# KiCad board px16_regfile.kicad_pcb (continued)
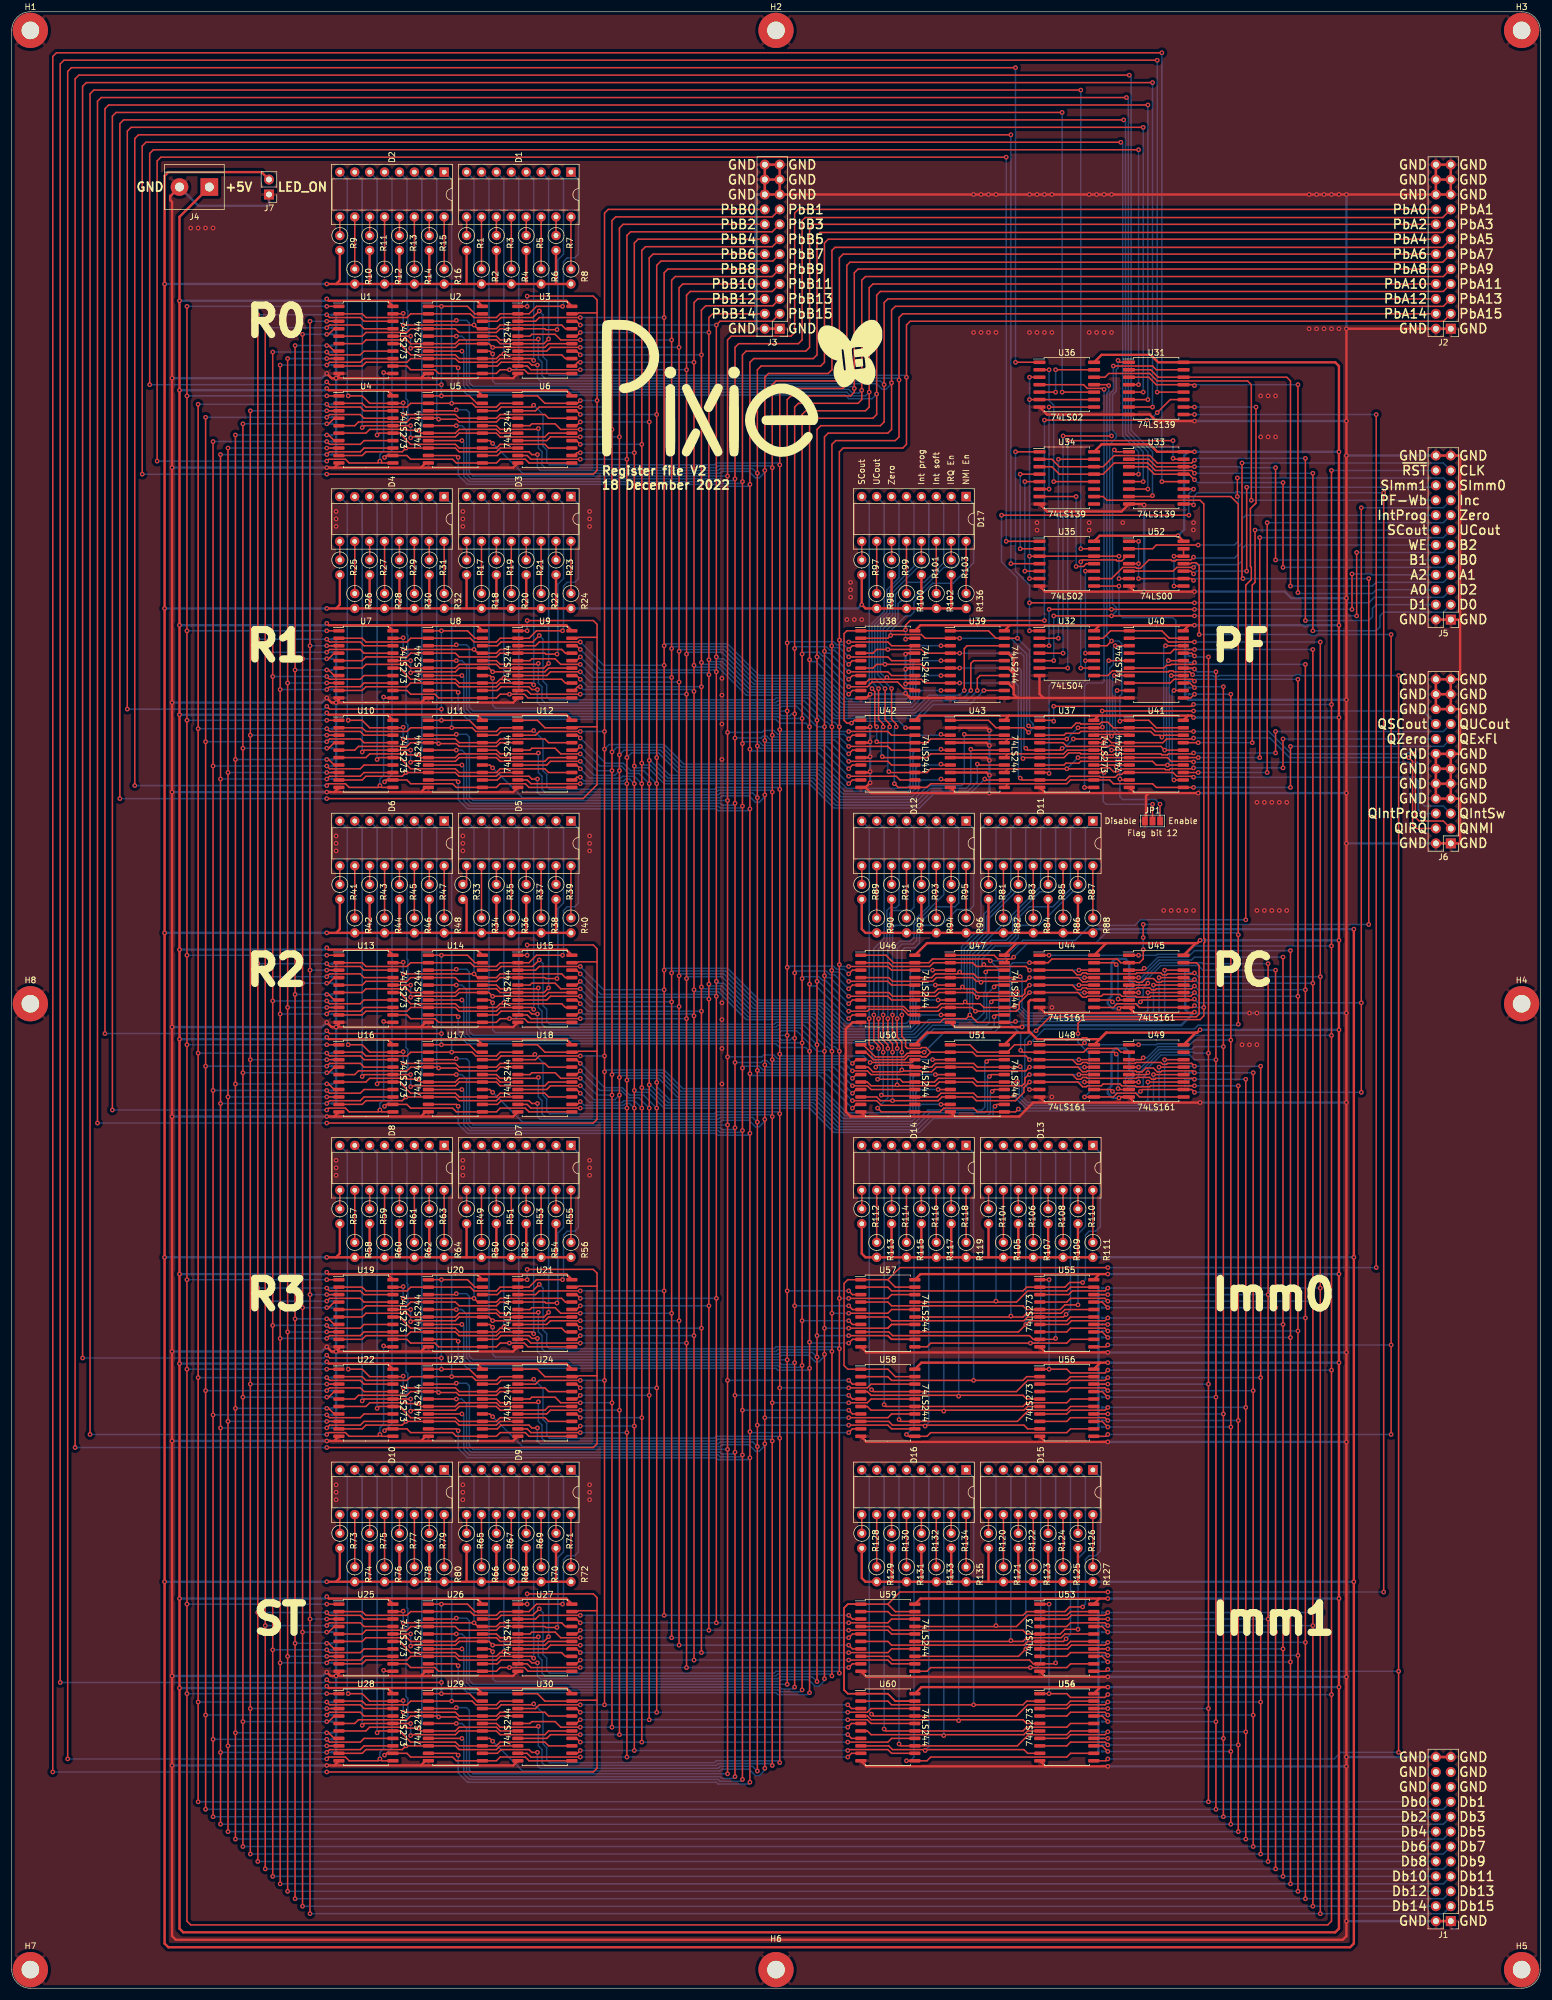
[diagram p0: board, top side]
## Routing (per net, layer and track width the routed paths; a pad name or vN(x,y) marks a point on that pad's centre or on a via; arc(x,y) is an arc through that point) (continued)
  Bottom w0.25: v1(158.27,150.5) 154.94,150.5 154.46,150.02 154.46,148.75 153.35,147.64 141.29,147.64 137.16,151.77 113.35,151.77 110.17,154.94 105.09,154.94 v1(104.77,154.62) ; v1(96.84,149.86) v1(104.77,149.86) ; v1(96.84,94.62) v1(104.77,94.62) ; v1(96.84,260.35) v1(104.77,260.35) ; v1(142.4,39.37) v1(104.77,39.37) v1(96.84,39.37) ; v1(104.77,209.55) 105.57,210.34 110.17,210.34 113.51,207.01 137.16,207.01 141.29,202.88 153.35,202.88 154.46,203.99 154.46,205.26 154.94,205.74 158.11,205.74 v1(158.27,205.9) ; v1(96.84,205.11) v1(104.77,205.11)
/PbB13: length 541
  Top w0.25: U18.7 91.12,153.04 91.76,153.67 v1(96.84,153.67) ; v1(158.27,208.44) 158.43,208.28 U43.7 ; v1(96.84,98.43) 91.76,98.43 91.12,97.79 U24.7 ; v1(96.84,208.92) 91.76,208.92 91.12,208.28 U12.7 ; U6.7 91.12,263.53 91.76,264.16 v1(96.84,264.16) ; 86.2,42.55 91.12,42.55 91.76,43.18 v1(96.84,43.18) ; 128.27,300.36 104.14,300.36 103.51,299.72 v1(103.51,264.16) v1(103.51,210.03) v1(103.51,207.33) v1(103.51,98.43) v1(103.51,43.18) ; U51.7 v1(157.8,153.04) ; 144.62,42.55 143.03,42.55 v1(142.4,43.18)
  Bottom w0.25: v1(96.84,208.92) 99.22,206.53 102.71,206.53 v1(103.51,207.33) ; v1(103.51,155.1) 103.82,155.42 110.49,155.42 113.67,152.24 137.48,152.24 141.6,148.11 153.03,148.11 153.99,149.07 153.99,152.56 154.46,153.04 v1(157.8,153.04) ; v1(158.27,208.44) 158.11,208.28 154.46,208.28 153.99,207.8 153.99,204.31 153.03,203.36 141.6,203.36 137.48,207.49 113.82,207.49 110.49,210.82 104.3,210.82 v1(103.51,210.03) ; v1(142.4,43.18) v1(103.51,43.18) v1(96.84,43.18) ; v1(103.51,152.08) 102.71,151.29 99.22,151.29 v1(96.84,153.67) ; v1(96.84,98.43) v1(103.51,98.43) ; v1(96.84,264.16) v1(103.51,264.16)
/PbB14: length 548.2
  Top w0.25: J3.17 129.54,301.62 102.87,301.62 102.23,300.99 v1(102.23,265.43) v1(102.23,210.5) v1(102.23,207.33) v1(102.23,99.7) v1(102.23,44.45) ; U24.5 88.27,100.33 88.58,100.65 92.55,100.65 93.5,99.7 v1(96.84,99.7) ; v1(96.84,265.43) 93.5,265.43 92.55,266.38 88.58,266.38 88.27,266.07 U6.5 ; U51.5 v1(157.32,155.58) ; U43.5 158.43,210.82 v1(158.27,210.98) ; v1(96.84,210.19) 93.5,210.19 92.55,211.14 88.58,211.14 88.27,210.82 U12.5 ; v1(142.4,44.45) 143.03,45.09 U60.5 ; v1(96.84,44.45) 93.5,44.45 92.55,45.4 88.58,45.4 88.27,45.09 U30.5 ; v1(96.84,154.94) 93.5,154.94 92.55,155.89 88.58,155.89 88.27,155.58 U18.5
  Bottom w0.25: v1(96.84,44.45) v1(102.23,44.45) v1(142.4,44.45) ; v1(158.27,210.98) 158.11,210.82 153.99,210.82 153.51,210.34 153.51,204.63 152.72,203.84 141.92,203.84 137.79,207.96 114.14,207.96 110.81,211.3 103.03,211.3 v1(102.23,210.5) ; v1(157.32,155.58) 153.99,155.58 153.51,155.1 153.51,149.38 152.72,148.59 141.92,148.59 137.79,152.72 113.98,152.72 110.81,155.89 102.55,155.89 v1(102.23,155.58) ; v1(102.23,207.33) 99.7,207.33 v1(96.84,210.19) ; v1(96.84,154.94) 99.7,152.08 v1(102.23,152.08) ; v1(96.84,99.7) v1(102.23,99.7) ; v1(96.84,265.43) v1(102.23,265.43)
/PbB15: length 541.9
  Top w0.25: v1(96.84,48.26) 89.85,48.26 89.22,47.62 86.2,47.62 ; v1(96.84,103.51) 89.85,103.51 89.22,102.87 U24.3 ; U51.3 v1(156.84,158.12) ; v1(96.84,269.24) 89.85,269.24 89.22,268.61 U6.3 ; v1(142.4,48.26) 143.03,47.62 144.62,47.62 ; U18.3 89.22,158.12 89.85,158.75 v1(96.84,158.75) ; v1(96.84,214) 89.85,214 89.22,213.36 U12.3 ; v1(100.97,48.26) v1(100.97,103.51) v1(100.97,158.75) v1(100.97,210.98) v1(100.97,214) v1(100.97,269.24) 100.97,302.26 101.6,302.9 128.27,302.9 ; U43.3 158.43,213.36 v1(158.27,213.52)
  Bottom w0.25: v1(96.84,103.51) v1(100.97,103.51) ; v1(96.84,269.24) v1(100.97,269.24) ; v1(96.84,214) v1(100.97,214) ; v1(100.97,210.98) 101.76,211.77 111.13,211.77 114.46,208.44 138.11,208.44 142.24,204.31 152.4,204.31 153.03,204.95 153.03,212.88 153.51,213.36 158.11,213.36 v1(158.27,213.52) ; v1(96.84,48.26) v1(100.97,48.26) v1(142.4,48.26) ; v1(156.84,158.12) 153.51,158.12 153.03,157.64 153.03,149.7 152.4,149.07 142.24,149.07 138.11,153.19 114.3,153.19 111.13,156.37 101.28,156.37 v1(100.97,156.05) ; v1(96.84,158.75) v1(100.97,158.75)
/PCQ0: length 77.5
  Top w0.25: U46.2 149.38,174.63 150.02,173.99 156.37,173.99 157,174.63 U47.2 163.67,174.63 164.31,173.99 165.26,173.99 v1(165.58,174.31) 165.89,173.99 172.72,173.99 v1(173.35,173.36) ; v1(181.77,173.36) U44.14
  Bottom w0.25: v1(165.58,174.31) 165.26,174.63 165.26,175.26 167.48,177.48 170.02,177.48 171.45,178.91 171.45,180.5 171.93,180.98 174.94,180.98 180.66,186.69 182.09,186.69 182.88,187.48 182.88,197.49 D11.1 ; v1(173.35,173.36) v1(181.77,173.36)
/PCQ1: length 79.4
  Top w0.25: v1(173.35,172.09) 172.72,171.45 165.26,171.45 v1(165.1,171.29) 164.94,171.45 164.31,171.45 163.67,172.09 U47.4 157.48,172.09 156.84,171.45 150.02,171.45 149.38,172.09 U46.4 ; v1(182.72,172.09) U44.13
  Bottom w0.25: v1(173.35,172.09) v1(182.72,172.09) ; v1(165.1,171.29) 164.62,171.77 164.62,175.42 167.16,177.96 169.7,177.96 170.97,179.23 170.97,181.77 173.35,184.15 177.32,184.15 180.34,187.17 180.34,197.49 D11.2
/PCQ2: length 80.7
  Top w0.25: 144.62,169.55 149.38,169.55 150.02,168.91 157.32,168.91 157.96,169.55 163.67,169.55 v1(164.47,168.75) 164.62,168.91 172.08,168.91 172.56,169.39 172.56,170.02 v1(173.35,170.82) ; v1(181.77,170.82) U44.12
  Bottom w0.25: D11.3 177.8,197.49 177.8,187.48 177.01,186.69 175.1,186.69 170.5,182.09 170.5,179.55 169.39,178.44 166.85,178.44 164.65,176.24 164.65,176.24 164.15,175.74 164.15,169.07 v1(164.47,168.75) ; v1(173.35,170.82) v1(181.77,170.82)
/PCQ3: length 80.9
  Top w0.25: v1(182.72,169.55) U44.11 ; U46.8 144.78,167.16 151.92,167.16 152.72,166.37 157.8,166.37 158.43,167.01 U47.8 163.51,167.01 v1(164.15,166.37) 171.13,166.37 171.61,166.85 171.61,167.8 v1(173.35,169.54)
  Bottom w0.25: v1(173.35,169.55) v1(182.72,169.55) ; v1(164.15,166.37) 163.67,166.85 163.67,176.06 168.59,180.98 169.39,180.98 170.03,181.62 170.03,182.4 175.26,187.63 175.26,197.49 D11.4
/PCQ4: length 93.5
  Top w0.25: v1(170.97,164.62) 170.81,164.47 U47.11 164.47,164.47 v1(163.19,165.74) 162.56,165.1 158.75,165.1 158.11,164.47 U46.11 ; v1(196.37,173.36) U45.14
  Bottom w0.25: v1(196.37,173.36) 196.37,165.1 195.9,164.62 v1(170.97,164.62) ; v1(163.19,165.74) 163.19,176.37 164.01,177.19 164.02,177.19 166.53,179.7 166.53,182.25 170.97,186.69 172.08,186.69 172.72,187.33 172.72,197.49 D11.5
/PCQ5: length 88.8
  Top w0.25: v1(195.42,172.09) U45.13 ; U46.13 157.64,167.01 158.27,167.64 162.08,167.64 v1(162.4,167.96) 162.72,167.64 164.94,167.64 165.58,167.01 U47.13 170.66,167.01 v1(170.81,167.16)
  Bottom w0.25: D11.6 170.18,197.49 170.18,186.69 166.05,182.56 166.05,180.02 163.71,177.68 163.71,177.68 162.72,176.69 162.72,168.28 v1(162.4,167.96) ; v1(195.42,172.09) 195.42,165.58 194.94,165.1 172.72,165.1 170.81,167 v1(170.81,167.16)
/PCQ6: length 85.9
  Top w0.25: 153.82,169.55 157.16,169.55 157.8,170.18 161.61,170.18 v1(161.92,170.5) 162.24,170.18 163.83,170.18 164.47,169.55 171.13,169.55 v1(171.29,169.7) ; v1(194.47,170.82) U45.12
  Bottom w0.25: v1(161.92,170.5) 162.24,170.82 162.24,177.01 163.37,178.13 163.37,178.13 165.58,180.34 165.58,182.88 167.64,184.94 167.64,197.49 D11.7 ; v1(194.47,170.82) 194.47,166.05 193.99,165.58 172.88,165.58 171.61,166.84 171.61,169.39 v1(171.29,169.7)
/PCQ7: length 83
  Top w0.25: U46.17 156.69,172.09 157.32,172.72 161.13,172.72 v1(161.45,173.04) 161.77,172.72 163.83,172.72 164.47,172.09 U47.17 171.61,172.09 v1(171.77,172.24) ; v1(193.52,169.55) U45.11
  Bottom w0.25: v1(171.77,172.24) 172.08,171.93 172.08,167.01 173.04,166.05 193.04,166.05 193.52,166.53 v1(193.52,169.55) ; D11.8 165.1,197.49 165.1,180.65 163.03,178.58 163.02,178.58 161.77,177.32 161.77,173.36 v1(161.45,173.04)
/PCQ8: length 94.7
  Top w0.25: U50.2 145.49,159.39 146.76,158.12 152.08,158.12 152.72,158.75 154.81,158.75 154.97,158.59 155.73,158.59 156.53,159.39 ; 156.53,159.39 155.73,160.18 154.97,160.18 154.81,160.02 152.56,160.02 152.24,160.34 152.24,161.45 151.61,162.08 v1(151.61,165.74) ; 156.53,159.39 U51.2 ; v1(181.77,158.12) U48.14 ; 159.86,159.39 163.67,159.39 164.3,158.75 172.72,158.75 v1(173.35,158.12)
  Bottom w0.25: v1(173.35,158.12) v1(181.77,158.12) ; v1(151.61,165.74) 151.61,176.69 152.08,177.17 153.83,177.17 154.62,177.96 154.62,180.5 155.1,180.98 158.27,180.98 160.97,183.67 163.19,183.67 163.83,184.31 163.83,197.49 D12.1
/PCQ9: length 91.7
  Top w0.25: v1(173.35,156.85) 172.72,156.21 164.3,156.21 163.67,156.85 159.86,156.85 ; v1(151.61,159.39) 151.61,161.13 150.81,161.93 v1(150.81,165.1) ; v1(182.72,156.85) U48.13 ; U51.4 157.48,156.85 156.69,156.05 154.97,156.05 154.82,156.2 151.77,156.2 v1(151.61,156.37) 151.29,156.05 146.69,156.05 145.89,156.85 U50.4
  Bottom w0.25: v1(173.35,156.85) v1(182.72,156.85) ; v1(150.81,165.1) 150.81,177.01 151.61,177.8 153.51,177.8 154.15,178.44 154.15,180.82 157.48,184.15 160.66,184.15 161.29,184.79 161.29,197.49 D12.2 ; v1(151.61,156.37) v1(151.61,159.39)
/PCQ10: length 92.3
  Top w0.25: v1(150.81,160.02) 150.81,160.97 150.02,161.77 v1(150.02,165.74) ; U51.6 157.96,154.31 157.32,153.67 150.97,153.67 v1(150.81,153.83) 150.65,153.67 146.37,153.67 145.73,154.31 U50.6 ; v1(173.35,155.58) 173.2,155.58 172.56,154.94 172.56,154.15 172.08,153.67 164.3,153.67 163.67,154.31 159.86,154.31 ; v1(181.77,155.58) U48.12
  Bottom w0.25: v1(150.02,165.74) 150.02,177.01 151.29,178.28 153.03,178.28 153.67,178.91 153.67,181.13 158.75,186.21 158.75,197.49 D12.3 ; v1(173.35,155.58) v1(181.77,155.58) ; v1(150.81,160.02) v1(150.81,153.83)
/PCQ11: length 95.1
  Top w0.25: U51.8 158.43,151.77 157.8,151.13 v1(150.02,151.13) 147.96,151.13 147.32,151.77 U50.8 ; v1(182.72,154.31) U48.11 ; v1(149.22,165.1) 149.22,161.61 150.02,160.81 v1(150.02,159.39) ; v1(173.35,154.31) 173.01,153.96 173.01,153.96 172.4,153.35 172.4,152.56 170.97,151.13 164.3,151.13 163.67,151.77 159.86,151.77
  Bottom w0.25: D12.4 156.21,197.49 156.21,184.31 152.88,180.98 150.5,180.98 150.02,180.5 150.02,177.8 149.22,177.01 v1(149.22,165.1) ; v1(150.02,151.13) v1(150.02,159.39) ; v1(173.35,154.31) v1(182.72,154.31)
/PCQ12: length 116.1
  Top w0.25: v1(148.43,165.74) 148.43,161.45 149.22,160.66 v1(149.22,160.02) ; U49.14 v1(196.37,158.12) ; v1(171.45,149.7) 170.97,149.23 U51.11 164.47,149.23 163.83,149.86 158.75,149.86 158.11,149.23 U50.11 148.11,149.23 v1(147.48,149.86)
  Bottom w0.25: v1(171.45,149.7) 171.77,149.38 195.9,149.38 196.37,149.86 v1(196.37,158.12) ; D12.5 153.67,197.49 153.67,184.07 153.11,183.52 150.02,183.52 149.54,183.04 149.54,178.12 148.43,177.01 v1(148.43,165.74) ; v1(147.48,149.86) 149.22,151.61 v1(149.22,160.02)
/PCQ13: length 109.8
  Top w0.25: v1(195.42,156.85) U49.13 ; v1(148.11,152.08) 148.27,151.92 153.67,151.92 U50.13 157.64,151.77 158.27,152.4 163.83,152.4 164.47,151.77 U51.13 170.5,151.77 v1(170.81,152.08) ; v1(148.43,159.39) 148.43,160.5 147.64,161.29 v1(147.64,165.1)
  Bottom w0.25: v1(148.11,152.08) 148.43,152.4 v1(148.43,159.39) ; v1(147.64,165.1) 147.64,177.01 149.07,178.44 149.07,183.52 149.54,183.99 150.65,183.99 151.13,184.47 151.13,197.49 D12.6 ; v1(170.81,152.08) 171.13,151.77 171.13,151.44 172.72,149.86 194.94,149.86 195.42,150.34 v1(195.42,156.85)
/PCQ14: length 106.8
  Top w0.25: v1(146.84,165.74) 146.84,161.29 147.64,160.5 v1(147.64,160.02) ; v1(194.47,155.58) U49.12 ; v1(171.29,154.39) 171.2,154.31 U51.15 164.47,154.31 163.83,154.94 157.8,154.94 157.16,154.31 U50.15 151.76,154.31 151.29,154.78 v1(147.48,154.78)
  Bottom w0.25: v1(194.47,155.58) 194.47,150.81 193.99,150.34 172.88,150.34 171.61,151.6 171.61,154.08 v1(171.29,154.39) ; v1(146.84,165.74) 146.84,177.01 148.59,178.75 148.59,197.49 D12.7 ; v1(147.64,160.02) 147.64,157.48 147.89,157.23 147.89,155.19 v1(147.48,154.78)
/PCQ15: length 104.7
  Top w0.25: v1(146.53,160.18) 146.05,160.66 v1(146.05,165.1) ; v1(193.52,154.31) U49.11 ; v1(171.77,156.93) 171.68,156.85 U51.17 164.47,156.85 163.83,157.48 157.32,157.48 156.69,156.85 U50.17 153.51,157.16 147.48,157.16 v1(147.16,156.85)
  Bottom w0.25: v1(146.53,160.18) 146.53,158.59 147.16,157.96 v1(147.16,156.85) ; v1(146.05,165.1) 146.05,197.49 D12.8 ; v1(193.52,154.31) 193.52,151.29 193.04,150.81 173.04,150.81 172.08,151.77 172.08,156.62 v1(171.77,156.93)
/PF-Wa: length 76.5
  Top w0.25: U32.12 186.53,228.6 v1(187.32,229.39) ; U41.19 194.94,214.63 193.67,215.9 U41.1 188.91,215.9 v1(188.75,215.74) ; U36.11 186.69,273.05 v1(186.85,272.89)
  Bottom w0.25: v1(188.75,215.74) 188.75,220.03 189.07,220.35 189.07,228.92 188.59,229.39 v1(187.32,229.39) 186.53,230.19 186.53,271.62 186.85,271.94 v1(186.85,272.89)
/PF-Wb: length 79
  Top w0.25: v1(211.14,253.37) 211.14,273.05 210.5,273.69 195.1,273.69 193.83,274.96 186.85,274.96 186.21,274.32 U36.12
  Bottom w0.25: J5.18 v1(211.14,253.37)
/PF-WE: length 83.6
  Top w0.25: U37.11 v1(182.72,204.47) ; v1(186.05,272.26) 185.9,272.42 183.2,272.42 182.56,273.05 U36.4
  Bottom w0.25: v1(182.72,204.47) 182.72,221.77 182.75,221.8 182.75,221.8 183.2,222.25 185.74,222.25 186.05,222.57 v1(186.05,272.26)
/QExFl: length 157.9
  Top w0.25: v1(150.34,205.11) 150.97,204.47 U42.11 155.89,204.47 156.53,205.11 169.7,205.11 ; v1(217.8,204.47) v1(217.8,211.46) ; 169.7,205.11 169.07,204.47 U43.11 ; 169.7,205.11 179.7,205.11 180.34,205.74 U37.12 187.01,205.74 187.65,205.1 194.3,205.1 194.31,205.11 194.94,204.47 U41.11 v1(201.29,204.47) ; v1(149.86,221.3) 149.86,216.06 150.65,215.27 v1(150.65,214.79)
  Bottom w0.25: v1(149.86,221.3) 147.48,223.68 147.48,232.09 149.54,234.15 149.54,237.96 153.67,242.09 153.67,252.73 D17.5 ; v1(217.8,204.47) v1(201.29,204.47) ; v1(150.65,214.79) 150.34,214.47 v1(150.34,205.11) ; J6.15 243.84,211.46 v1(217.8,211.46)
/QIntProg: length 157.2
  Top w0.25: v1(161.45,222.25) U39.8 155.57,222.25 154.94,222.89 149.38,222.89 v1(149.07,223.2) 148.75,222.89 146.05,222.89 145.41,222.25 U38.8 ; v1(171.77,206.06) 172.08,205.74 U37.9 179.55,205.74 180.17,206.37 185.3,206.37 185.45,206.22 187.96,206.22 188.44,206.69 189.07,206.69 189.39,207.01 U41.8 197.8,207.01 198.45,206.37 201.15,206.37 v1(201.29,206.22)
  Bottom w0.25: v1(171.77,206.06) 171.45,206.38 171.45,221.77 170.97,222.25 v1(161.45,222.25) ; v1(149.07,223.2) 148.75,223.2 147.95,224 147.95,231.78 150.02,233.84 150.02,237.65 154.3,241.94 155.57,241.94 156.21,242.57 156.21,252.73 D17.4 ; v1(201.29,206.22) 238.92,206.22 239.55,205.58 239.55,200.66 240.19,200.03 J6.6
/QIntSw: length 159.5
  Top w0.25: U38.6 146.69,224.79 147.32,225.43 v1(148.75,225.43) 154.94,225.43 155.57,224.79 U39.6 v1(161.45,224.79) ; v1(201.29,208.8) 201.18,208.92 197.48,208.92 196.85,209.55 U41.6 186.05,209.55 185.42,210.19 182.09,210.19 181.93,210.34 180.02,210.34 179.23,209.55 U37.6 172.4,209.55 v1(172.24,209.39)
  Bottom w0.25: J6.5 243.84,201.3 240.66,201.3 240.03,201.93 240.03,208.12 239.39,208.76 201.34,208.76 v1(201.29,208.8) ; D17.3 158.75,252.73 158.75,242.73 155.42,239.4 152.56,239.4 150.5,237.33 150.5,233.52 148.43,231.46 148.43,225.74 v1(148.75,225.43) ; v1(161.45,224.79) 171.61,224.79 171.93,224.47 171.93,209.71 v1(172.24,209.39)
/QIRQ: length 162.5
  Top w0.25: v1(237.97,209.55) 238.6,208.92 238.6,198.12 239.24,197.49 J6.4 ; v1(201.29,212.88) 201.14,212.73 196.69,212.73 196.06,212.09 U41.4 187.32,212.09 186.37,213.04 185.74,213.04 185.42,212.73 v1(180.82,212.73) ; v1(178.91,211.14) 178.59,210.82 U37.5 173.04,210.82 v1(172.72,211.14) ; v1(161.45,227.33) U39.4 155.57,227.33 154.94,227.97 v1(149.22,227.97) 147.32,227.97 146.69,227.33 U38.4
  Bottom w0.25: D17.2 161.29,252.73 161.29,242.73 160.5,241.94 158.75,241.94 153.03,236.22 151.45,236.22 150.97,235.74 150.97,233.2 148.91,231.14 148.91,228.28 v1(149.22,227.97) ; v1(161.45,227.33) 171.93,227.33 172.4,226.85 172.4,211.46 v1(172.72,211.14) ; v1(201.29,212.88) 214.31,212.88 217.65,209.55 v1(237.97,209.55) ; v1(180.82,212.73) 179.23,211.14 v1(178.91,211.14)
/QNMI: length 161.1
  Top w0.25: v1(161.45,229.87) U39.2 155.57,229.87 154.94,230.51 149.86,230.51 v1(149.7,230.35) 149.22,229.87 U38.2 ; v1(238.76,210.19) 239.08,209.87 239.08,199.39 239.71,198.76 243.84,198.76 J6.3 ; v1(173.2,214.95) 173.51,214.63 U37.2 180.5,214.63 181.29,215.42 181.93,215.42 182.08,215.28 185.3,215.28 185.61,215.58 186.69,215.58 187.64,214.63 U41.2 194.15,214.63 194.79,214 v1(201.29,214)
  Bottom w0.25: v1(238.76,210.19) 238.6,210.34 237.65,210.34 237.49,210.19 217.96,210.19 214.15,214 v1(201.29,214) ; D17.1 163.83,252.73 163.83,242.73 160.34,239.24 156.84,239.24 153.67,236.06 153.67,234.32 153.03,233.68 152.24,233.68 149.7,231.14 v1(149.7,230.35) ; v1(173.2,214.95) 172.88,215.27 172.88,227.17 170.18,229.87 v1(161.45,229.87)
/QSCout: length 143.8
  Top w0.25: v1(185.79,214.74) 185.68,214.63 U37.19 v1(181.61,214.63) ; v1(179.69,212.72) 169.69,212.72 ; 169.69,212.72 U43.17 ; 169.69,212.72 156.52,212.72 155.89,212.09 U42.17 147.48,212.09 v1(147.32,212.25) ; v1(201.29,217.49) 185.74,217.49 v1(185.74,217.49) ; v1(146.53,221.3) 147,220.82 147,215.11 v1(147.32,214.79)
  Bottom w0.25: J6.18 240.35,217.49 v1(201.29,217.49) ; v1(147.32,214.79) v1(147.32,212.25) ; v1(185.79,214.74) 185.74,214.78 v1(185.74,217.49) ; D17.8 146.05,252.73 146.05,221.77 v1(146.53,221.3) ; v1(179.69,212.72) v1(181.61,214.63)
/QUCout: length 149.8
  Top w0.25: v1(148.43,214.79) 148.43,215.27 147.64,216.06 v1(147.64,221.3) ; v1(215.26,210.34) v1(215.26,214) ; 169.7,210.19 U43.15 ; 169.7,210.19 156.53,210.19 155.89,209.55 U42.15 148.43,209.55 v1(148.27,209.71) ; 169.7,210.19 179.15,210.19 179.78,210.82 U37.16 185.58,210.82 186.37,210.03 187.64,210.03 187.8,210.19 195.74,210.19 195.9,210.03 196.85,210.03 197.01,210.19 201.14,210.19 v1(201.29,210.34)
  Bottom w0.25: D17.7 148.59,252.73 148.59,234.47 146.53,232.41 146.53,222.41 v1(147.64,221.3) ; v1(215.26,214) 243.84,214 J6.17 ; v1(148.43,214.79) 148.11,214.47 148.11,209.87 v1(148.27,209.71) ; v1(215.26,210.34) v1(201.29,210.34)
/QZero: length 155.7
  Top w0.25: v1(216.53,212.73) v1(216.53,207.8) ; v1(149.54,214.79) 149.54,215.27 148.75,216.06 v1(148.75,221.3) ; U37.15 v1(181.61,209.55) ; v1(201.29,207.8) 201.14,207.65 197.33,207.65 197.17,207.49 196.53,207.49 196.37,207.65 188.91,207.65 188.44,207.17 187.64,207.17 187.01,207.8 185.58,207.8 185.42,207.65 v1(179.7,207.65) 169.69,207.64 ; 169.69,207.64 U43.13 ; 169.69,207.64 156.52,207.64 155.89,207.01 U42.13 149.54,207.01 v1(149.38,207.17)
  Bottom w0.25: v1(179.7,207.65) v1(181.61,209.55) ; v1(148.75,221.3) 147,223.04 147,232.25 149.07,234.31 149.07,238.13 151.13,240.19 151.13,252.73 D17.6 ; v1(149.54,214.79) 149.22,214.47 149.22,207.33 v1(149.38,207.17) ; v1(216.53,207.8) v1(201.29,207.8) ; J6.16 v1(216.53,212.73)
/R0-WE: length 324.9
  Top w0.25: U35.1 v1(169.39,246.38) ; v1(24.77,260.03) 24.77,311.15 25.4,311.79 v1(169.39,311.79) ; U1.11 63.5,274.96 v1(63.34,275.11) ; v1(53.66,260.03) 53.98,260.35 56.83,260.35 57.47,259.72 62.39,259.72 v1(62.71,260.03) 63.02,259.72 64.93,259.72
  Bottom w0.25: v1(62.71,260.03) 62.71,261.14 63.34,261.78 v1(63.34,275.11) ; v1(53.66,260.03) v1(24.77,260.03) ; v1(169.39,246.38) v1(169.39,311.79)
/R0Q0: length 64.9
  Top w0.25: v1(93.82,286.39) 89.38,286.39 88.11,285.12 U3.2 83.19,285.12 82.55,284.48 78.74,284.48 78.11,285.12 U2.2 67.95,285.12 67.31,284.48 60.33,284.48 59.69,285.12 U1.2
  Bottom w0.25: D1.1 96.52,307.98 96.52,295.28 95.89,294.64 94.62,294.64 93.98,294 93.98,286.54 v1(93.82,286.39)
/R0Q1: length 66.1
  Top w0.25: 55.73,281.31 59.69,281.31 60.33,281.94 67.31,281.94 67.95,282.58 U2.4 75.57,282.58 76.2,281.94 82.55,281.94 83.19,282.58 U3.4 90.8,282.58 90.96,282.42 v1(92.87,282.42)
  Bottom w0.25: D1.2 93.98,307.98 93.98,295.28 93.03,294.32 93.03,282.58 v1(92.87,282.42)
/R0Q2: length 66
  Top w0.25: U1.6 59.69,280.04 60.33,280.67 67.31,280.67 67.95,280.04 U2.6 75.57,280.04 76.2,280.67 82.55,280.67 83.19,280.04 U3.6 90.65,280.04 v1(91.44,280.83)
  Bottom w0.25: v1(91.44,280.83) 91.44,307.98 D1.3
/R0Q3: length 67
  Top w0.25: v1(88.9,277.18) 88.58,277.5 U3.8 83.19,277.5 82.55,276.86 76.2,276.86 75.57,277.5 U2.8 67.95,277.5 67.31,276.86 60.33,276.86 59.69,276.23 U1.9
  Bottom w0.25: v1(88.9,277.18) 88.9,307.98 D1.4
/R0Q4: length 66.9
  Top w0.25: U1.12 67.31,276.23 67.95,275.59 72.07,275.59 72.71,274.96 U2.11 82.55,274.96 83.19,275.59 v1(84.77,275.59) 87.31,275.59 87.95,274.96 U3.11
  Bottom w0.25: D1.5 86.36,307.98 86.36,276.23 85.73,275.59 v1(84.77,275.59)
/R0Q5: length 63.7
  Top w0.25: 83.82,278.13 83.18,278.13 82.55,277.5 U2.13 76.2,277.5 75.57,278.13 67.95,278.13 66.04,280.04 U1.15 ; 83.82,278.13 93.66,278.13 94.3,277.5 U3.13 ; 83.82,278.13 v1(83.82,278.29)
  Bottom w0.25: v1(83.82,278.29) 83.82,307.98 D1.6
/R0Q6: length 64
  Top w0.25: U3.15 91.44,280.04 90.81,279.4 v1(81.92,279.4) 81.28,280.04 U2.15 76.2,280.04 75.57,279.4 68.1,279.4 v1(67.95,279.24) ; 64.93,281.31 v1(67.95,281.31)
  Bottom w0.25: v1(81.92,279.4) 81.28,280.04 81.28,307.98 D1.7 ; v1(67.95,281.31) v1(67.95,279.24)
/R0Q7: length 59.9
  Top w0.25: U3.17 94.3,282.58 93.66,283.21 83.18,283.21 82.55,282.58 U2.17 79.38,282.58 v1(78.74,283.21) v1(66.68,283.21) ; U1.19 66.59,285.12 v1(66.68,285.2)
  Bottom w0.25: v1(78.74,283.21) 78.74,307.98 D1.8 ; v1(66.68,285.2) v1(66.68,283.21)
/R0Q8: length 71.4
  Top w0.25: U6.2 83.19,269.88 82.55,269.24 79.06,269.24 78.42,269.88 v1(74.93,269.88) U5.2 67.95,269.88 67.31,269.24 60.33,269.24 59.69,269.88 U4.2
  Bottom w0.25: D2.1 74.93,307.98 v1(74.93,269.88)
/R0Q9: length 74.3
  Top w0.25: U4.5 58.42,266.07 59.06,266.7 67.31,266.7 67.95,267.34 U5.4 72.55,267.34 v1(72.71,267.18) 75.72,267.18 76.2,266.7 82.55,266.7 83.19,267.34 U6.4
  Bottom w0.25: v1(72.71,267.18) 72.39,267.49 72.39,307.98 D2.2
/R0Q10: length 76.3
  Top w0.25: 55.73,264.8 60.33,264.8 60.96,265.43 67.31,265.43 67.47,265.27 v1(69.22,265.27) 69.69,264.8 75.57,264.8 76.2,265.43 82.55,265.43 83.19,264.8 86.2,264.8
  Bottom w0.25: v1(69.22,265.27) 69.85,265.91 69.85,307.98 D2.3
/R0Q11: length 79.5
  Top w0.25: U6.8 83.19,262.25 82.55,261.62 76.2,261.62 75.57,262.25 U5.8 v1(67.15,262.25) 66.52,261.62 60.33,261.62 59.69,260.99 U4.9
  Bottom w0.25: D2.4 67.31,307.98 67.31,285.75 67.47,285.59 67.47,282.42 67.15,282.1 67.15,270.67 67.47,270.35 67.47,267.18 67.15,266.86 v1(67.15,262.25)
/R0Q12: length 82.7
  Top w0.25: 95.41,259.72 88.11,259.72 87.47,260.35 83.19,260.35 82.55,259.72 75.72,259.72 75.09,260.35 67.95,260.35 67.31,260.99 U4.12 63.82,260.99 v1(63.5,260.67)
  Bottom w0.25: v1(63.5,260.67) 64.77,261.94 64.77,307.98 D2.5
/R0Q13: length 80.2
  Top w0.25: U6.13 91.44,262.25 90.81,262.89 83.18,262.89 82.55,262.26 U5.13 76.2,262.25 75.57,262.89 67.95,262.89 66.04,264.8 62.55,264.8 v1(62.23,264.48)
  Bottom w0.25: v1(62.23,264.48) 62.23,307.98 D2.6
/R0Q14: length 82.8
  Top w0.25: v1(67.95,264) 68.1,264.16 75.57,264.16 76.2,264.8 82.55,264.8 ; v1(59.69,265.75) 60.01,266.07 U4.16 v1(67.95,266.07) ; 95.41,264.8 91.44,264.8 90.81,264.16 83.18,264.16 82.55,264.79
  Bottom w0.25: v1(59.69,265.75) 59.69,307.98 D2.7 ; v1(67.95,266.07) v1(67.95,264)
/R0Q15: length 80.1
  Top w0.25: v1(66.68,269.96) 66.59,269.88 U4.19 60.96,269.88 59.69,271.15 v1(57.31,271.15) ; U6.17 91.44,267.34 90.81,267.97 83.18,267.97 82.55,267.34 U5.17 76.2,267.34 75.57,267.97 v1(66.68,267.97)
  Bottom w0.25: D2.8 57.15,307.98 57.15,271.3 v1(57.31,271.15) ; v1(66.68,269.96) v1(66.68,267.97)
/R1-WE: length 399.2
  Top w0.25: U10.11 63.02,204.47 v1(62.71,204.79) 62.39,204.47 57.47,204.47 56.83,205.11 53.98,205.11 v1(53.66,204.79) ; v1(170.18,315.6) 21.59,315.6 20.96,314.96 v1(20.96,204.79) ; U7.11 63.5,219.71 v1(63.34,219.87) ; U35.4 v1(170.18,242.57)
  Bottom w0.25: v1(62.71,204.79) 62.71,205.9 63.34,206.53 v1(63.34,219.87) ; v1(53.66,204.79) v1(20.96,204.79) ; v1(170.18,242.57) v1(170.18,315.6)
/R1Q0: length 64.9
  Top w0.25: U7.2 59.69,229.87 60.33,229.24 67.31,229.24 67.95,229.87 U8.2 78.11,229.87 78.74,229.24 82.55,229.24 83.19,229.87 U9.2 88.11,229.87 89.38,231.14 v1(93.82,231.14)
  Bottom w0.25: D3.1 96.52,252.73 96.52,240.03 95.89,239.4 94.62,239.4 93.98,238.76 93.98,231.3 v1(93.82,231.14)
/R1Q1: length 66.1
  Top w0.25: v1(92.87,227.17) 90.96,227.17 90.8,227.33 U9.4 83.19,227.33 82.55,226.7 76.2,226.7 75.57,227.33 U8.4 67.95,227.33 67.31,226.7 60.33,226.7 59.69,226.06 U7.5
  Bottom w0.25: D3.2 93.98,252.73 93.98,240.03 93.03,239.08 93.03,227.33 v1(92.87,227.17)
/R1Q2: length 66
  Top w0.25: U7.6 59.69,224.79 60.33,225.43 67.31,225.43 67.95,224.79 U8.6 75.57,224.79 76.2,225.43 82.55,225.43 83.19,224.79 U9.6 90.65,224.79 v1(91.44,225.58)
  Bottom w0.25: D3.3 91.44,252.73 v1(91.44,225.58)
/R1Q3: length 67
  Top w0.25: U7.9 59.69,220.98 60.33,221.62 67.31,221.62 67.95,222.25 U8.8 75.57,222.25 76.2,221.62 82.55,221.62 83.19,222.25 U9.8 88.58,222.25 v1(88.9,221.93)
  Bottom w0.25: D3.4 88.9,252.73 v1(88.9,221.93)
/R1Q4: length 66.9
  Top w0.25: U7.12 67.31,220.98 67.95,220.35 72.07,220.35 72.71,219.71 U8.11 82.55,219.71 83.19,220.35 v1(84.77,220.35) 87.31,220.35 87.95,219.71 U9.11
  Bottom w0.25: v1(84.77,220.35) 85.73,220.35 86.36,220.98 86.36,252.73 D3.5
/R1Q5: length 63.7
  Top w0.25: U7.15 66.04,224.79 67.95,222.89 75.57,222.89 76.2,222.25 U8.13 82.55,222.25 83.18,222.89 83.82,222.89 ; 83.82,222.89 v1(83.82,223.04) ; 83.82,222.89 93.66,222.89 94.3,222.25 U9.13
  Bottom w0.25: D3.6 83.82,252.73 v1(83.82,223.04)
